# Altium PCB CU-ON-OFF-V2-08-11-18.PcbDoc (part 12 of 14)
Units mm, origin at the board's own origin, x right, y up, seen from the top; angles counter-clockwise.
Board outline 213 x 122.62 mm, 2 copper layers (Top Layer, Bottom Layer); 304 components, 53 nets, 991 pads, 702 vias.
Unrouted connection lines stored in the file: 1.
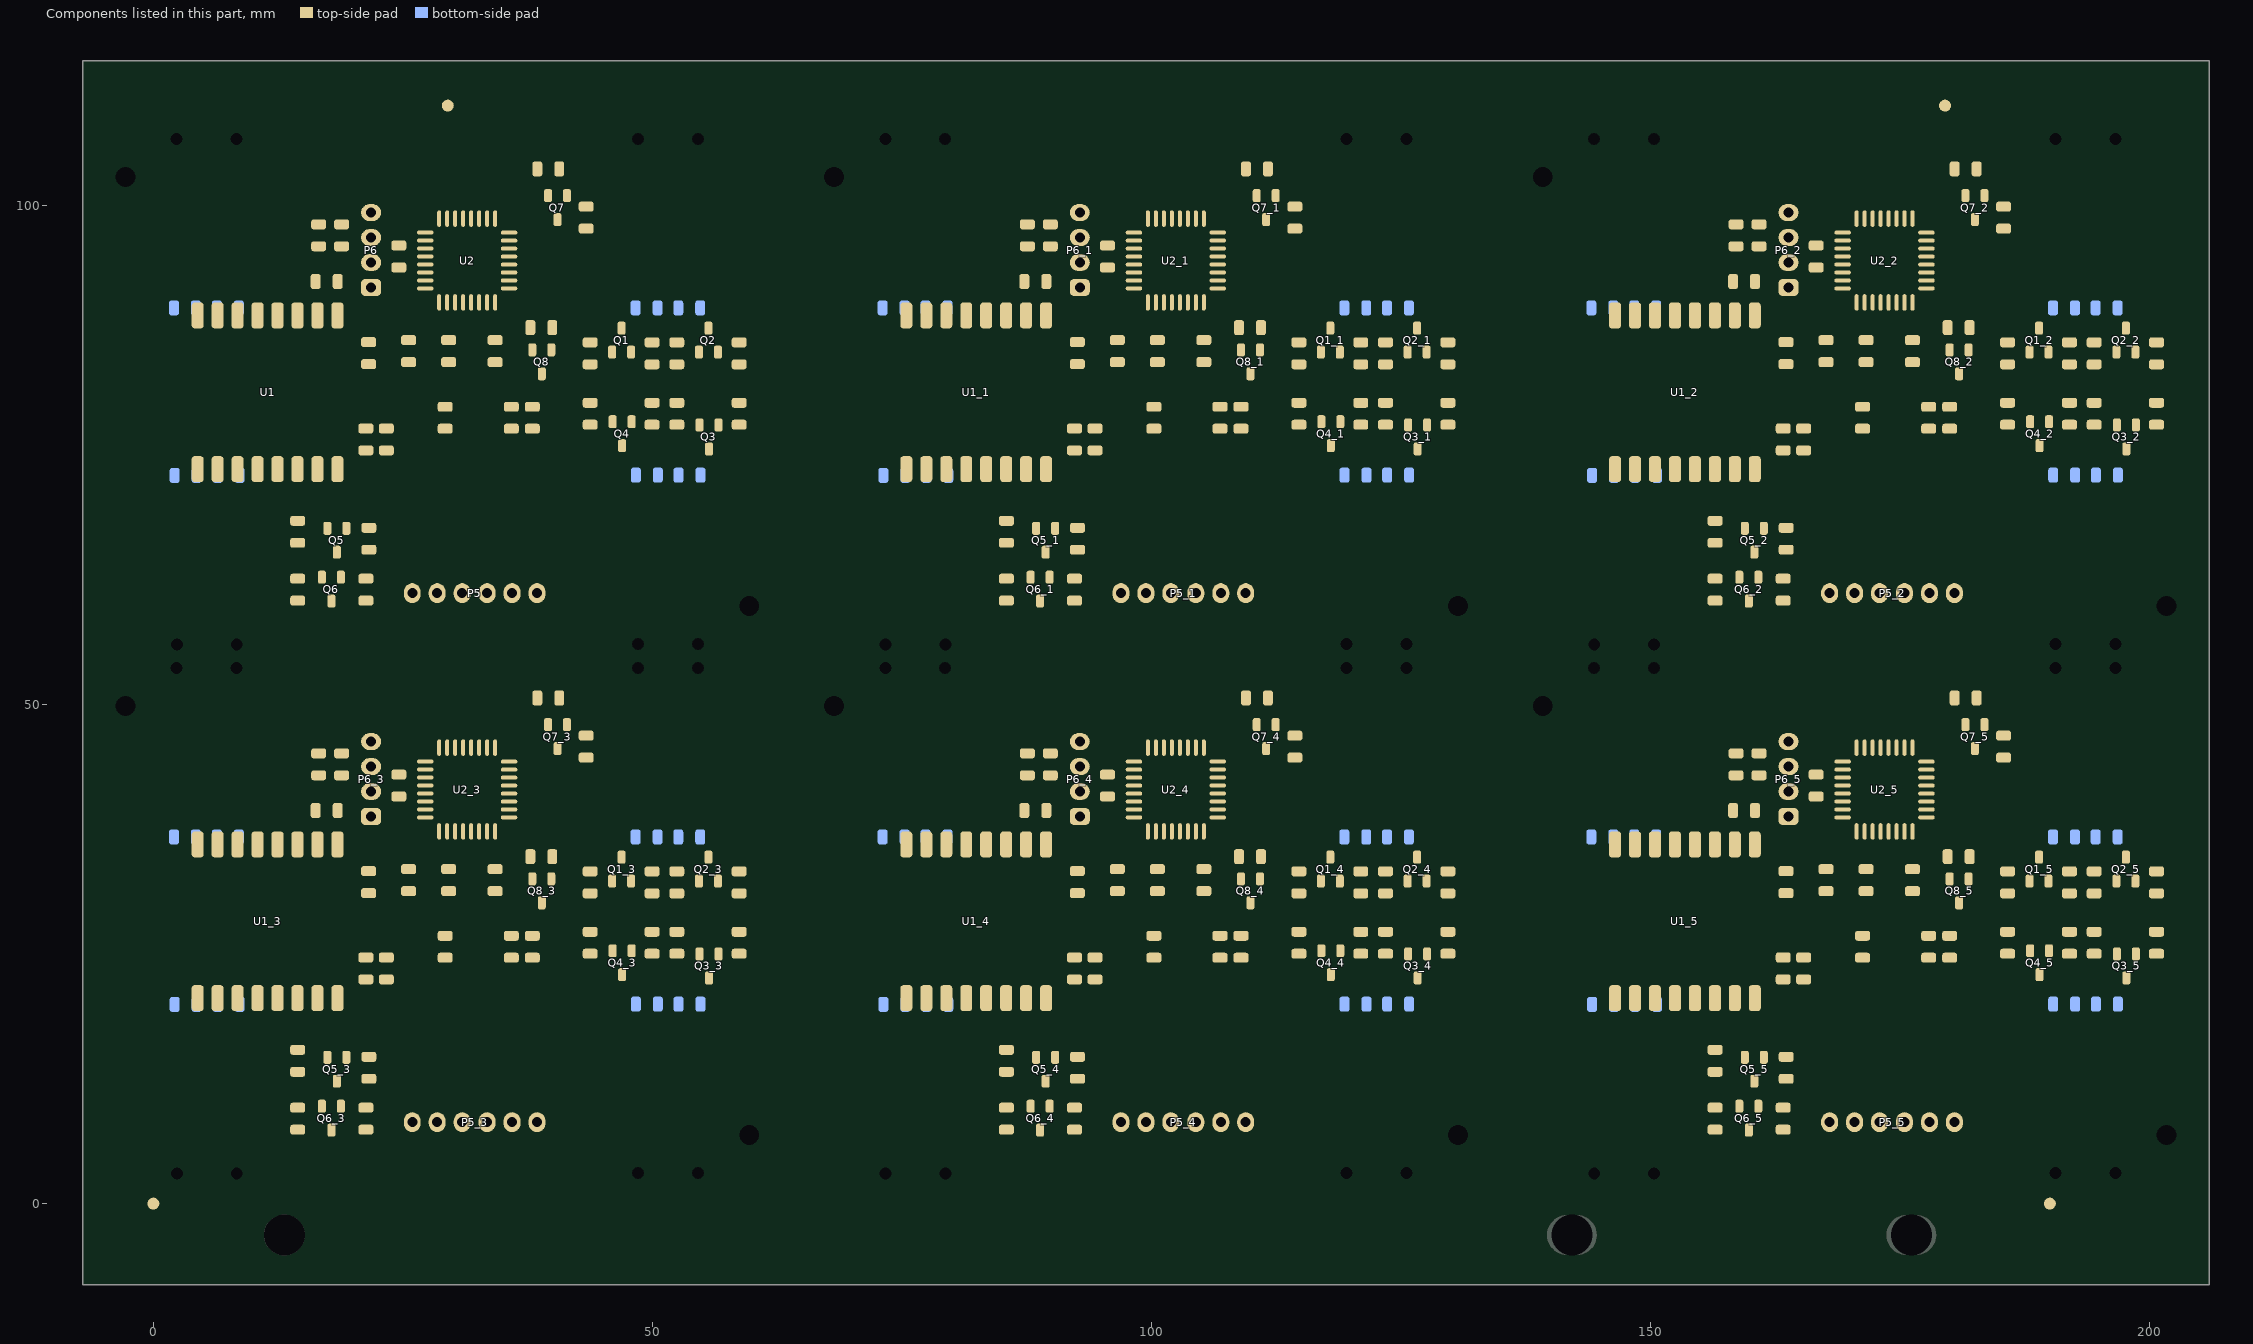
[diagram p12: the components of this part, seen from the top]

## Via types
v1: diameter 0.8, hole 0.5, Top Layer to Bottom Layer, 702 vias

## Nets (pads, with @x,y where several pads share a name; then routed paths per layer and width w, separated by ;. In a path a pad name is that pad's centre, name@x,y a point inside that pad or via, vN(x,y) a via of type N, cw(c..) or ccw(c..) an arc to the next point about the centre after c; other vN are vias at no path point) (continued)
copper on no net: (continued)
  Bottom Layer w0.4: 177.566,8.807 177.566,11.245 cw(c178.078,11.245) 177.716,11.607 ; 177.566,61.806 177.566,64.244 cw(c178.078,64.244) 177.716,64.606 ; v1@178.124,36.948 ccw(c177.783,37.29) 178.266,37.29 ccw(c178.749,37.29) v1@178.407,36.948 ; v1@178.124,37.441 cw(c177.783,37.099) 178.266,37.099 cw(c178.749,37.099) v1@178.407,37.441 ; v1@178.124,89.947 ccw(c177.783,90.289) 178.266,90.289 ccw(c178.749,90.289) v1@178.407,89.947 ; v1@178.124,90.44 cw(c177.783,90.098) 178.266,90.098 cw(c178.749,90.098) v1@178.407,90.44 ; v1@178.148,36.969 ccw(c178.013,37.155) v1@178.235,37.214 ; v1@178.148,89.968 ccw(c178.013,90.154) v1@178.235,90.213 ; v1(178.266,37.582) 178.266,36.557 185.698,29.125 193.095,29.125 ; v1(178.266,90.581) 178.266,89.556 185.698,82.124 193.095,82.124 ; 178.291,8.632 178.291,12.17 cw(c178.803,12.17) 178.441,12.532 ; 178.291,61.631 178.291,65.169 cw(c178.803,65.169) 178.441,65.531 ; v1@178.297,37.214 ccw(c178.519,37.155) v1@178.383,36.969 ; v1@178.297,90.213 ccw(c178.519,90.154) v1@178.383,89.968 ; v1@178.466,36.807 ccw(c179.552,36.807) 178.784,36.039 ; v1@178.466,89.806 ccw(c179.552,89.806) 178.784,89.038 ; v1@178.566,36.807 ccw(c179.894,36.807) 178.955,35.868 179.316,35.507 ; v1@178.566,89.806 ccw(c179.894,89.806) 178.955,88.867 179.316,88.506 ; 178.666,47.032 ccw(c180.597,48.963) 180.597,46.232 v1@181.566,46.232 ; 178.666,100.031 ccw(c180.597,101.962) 180.597,99.231 v1@181.566,99.231 ; v1@179.009,50.325 ccw(c178.527,50.325) 178.868,50.666 ccw(c179.209,51.008) v1@179.209,50.525 ; v1@179.009,103.324 ccw(c178.527,103.324) 178.868,103.665 ccw(c179.209,104.007) v1@179.209,103.524 ; v1@179.016,50.107 178.594,50.529 ccw(c177.216,49.152) 177.216,51.1 v1@179.191,51.407 ; v1@179.016,51.332 cw(c178.456,51.892) 178.456,51.1 178.434,51.1 ; v1@179.016,103.106 178.594,103.528 ccw(c177.216,102.151) 177.216,104.099 v1@179.191,104.406 ; v1@179.016,104.331 cw(c178.456,104.891) 178.456,104.099 178.434,104.099 ; v1(179.209,50.325) 178.434,51.1 ; v1(179.209,103.324) 178.434,104.099 ; 179.316,13.432 ccw(c181.066,11.682) 178.591,11.682 178.591,8.232 178.591,5.619 cw(c178.079,5.619) 178.441,5.257 cw(c177.708,5.99) 177.708,4.953 176.637,4.953 ; 179.316,66.431 ccw(c181.066,64.681) 178.591,64.681 178.591,61.231 178.591,58.618 cw(c178.079,58.618) 178.441,58.256 cw(c177.708,58.989) 177.708,57.952 176.637,57.952 ; v1@179.674,36.973 ccw(c179.333,37.315) 179.816,37.315 ccw(c180.299,37.315) v1@179.957,36.973 ; v1@179.674,37.466 cw(c179.333,37.124) 179.816,37.124 cw(c180.299,37.124) v1@179.957,37.466 ; v1@179.674,89.972 ccw(c179.333,90.314) 179.816,90.314 ccw(c180.299,90.314) v1@179.957,89.972 ; v1@179.674,90.465 cw(c179.333,90.123) 179.816,90.123 cw(c180.299,90.123) v1@179.957,90.465 ; v1@179.698,36.994 ccw(c179.563,37.18) v1@179.785,37.239 ; v1@179.698,89.993 ccw(c179.563,90.179) v1@179.785,90.238 ; 179.714,29.309 cw(c179.287,28.882) v1@179.891,28.882 ; 179.714,82.308 cw(c179.287,81.881) v1@179.891,81.881 ; v1(179.816,37.607) 179.816,36.507 186.158,30.165 v1@186.158,30.163 ; v1(179.816,90.606) 179.816,89.506 186.158,83.164 v1@186.158,83.162 ; v1@179.847,37.239 ccw(c180.069,37.18) v1@179.933,36.994 ; v1@179.847,90.238 ccw(c180.069,90.179) v1@179.933,89.993 ; v1@180.016,36.832 ccw(c181.283,36.832) 180.387,35.936 ; v1@180.016,89.831 ccw(c181.283,89.831) 180.387,88.935 ; v1@180.116,36.832 ccw(c181.625,36.832) 180.558,35.765 181.416,34.907 ; v1@180.116,89.831 ccw(c181.625,89.831) 180.558,88.764 181.416,87.906 ; v1@180.153,28.87 176.741,32.282 ; v1@180.153,81.869 176.741,85.281 ; 180.566,8.682 181.916,8.682 ; 180.566,61.681 181.916,61.681 ; v1@181.041,29.157 178.747,31.451 ccw(c176.741,29.445) 176.741,32.282 ; v1@181.041,82.156 178.747,84.45 ccw(c176.741,82.444) 176.741,85.281 ; v1@181.429,45.807 ccw(c181.088,45.465) 181.088,45.948 ccw(c181.088,46.431) v1@181.429,46.089 ; v1@181.429,98.806 ccw(c181.088,98.464) 181.088,98.947 ccw(c181.088,99.43) v1@181.429,99.088 ; v1@181.466,27.532 ccw(c181.466,28.136) 181.893,27.709 181.916,27.732 ccw(c181.192,28.456) 182.216,28.456 182.216,29.057 ccw(c181.069,29.057) 181.88,29.868 181.516,30.232 ; v1@181.466,80.531 ccw(c181.466,81.135) 181.893,80.708 181.916,80.731 ccw(c181.192,81.455) 182.216,81.455 182.216,82.056 ccw(c181.069,82.056) 181.88,82.867 181.516,83.231 ; v1@181.566,44.882 cw(c181.566,46.693) 180.286,45.412 179.75,45.948 ; v1@181.566,97.881 cw(c181.566,99.692) 180.286,98.411 179.75,98.947 ; v1(181.571,45.948) 179.75,45.948 ; v1(181.571,98.947) 179.75,98.947 ; 181.765,10.282 181.007,9.524 ccw(c182.374,8.157) 180.441,8.157 cw(c180.441,7.192) 181.124,7.874 181.916,7.082 ; 181.765,63.281 181.007,62.523 ccw(c182.374,61.156) 180.441,61.156 cw(c180.441,60.19) 181.124,60.873 181.916,60.081 ; v1(182.341,26.482) v1(182.341,27.257) ; v1(182.341,79.481) v1(182.341,80.256) ; v1@183.491,50.082 184.883,48.69 cw(c183.474,47.282) 185.466,47.282 ; v1@183.491,103.081 184.883,101.689 cw(c183.474,100.281) 185.466,100.281 ; v1@183.722,50.065 cw(c183.722,49.412) 184.184,49.874 ; v1@183.722,103.064 cw(c183.722,102.411) 184.184,102.873 ; v1@183.758,50.3 185.466,48.592 185.466,35.992 ; v1@183.758,103.299 185.466,101.591 185.466,88.991 ; 183.856,27.257 v1(182.341,27.257) ; 183.856,80.256 v1(182.341,80.256) ; 184.016,50.732 ccw(c185.682,50.732) 184.504,49.554 185.401,48.657 ; 184.016,103.731 ccw(c185.682,103.731) 184.504,102.553 185.401,101.656 ; 185.466,38.332 185.466,37.299 ccw(c187.258,37.299) 185.991,36.032 ; 185.466,91.331 185.466,90.298 ccw(c187.258,90.298) 185.991,89.031 ; v1@186.466,29.982 cw(c186.466,30.284) 186.253,30.07 185.555,30.768 ccw(c186.516,31.729) v1@186.516,30.37 ; v1@186.466,82.981 cw(c186.466,83.283) 186.253,83.069 185.555,83.767 ccw(c186.516,84.728) v1@186.516,83.369 ; v1(186.516,30.17) v1(187.291,30.17) ; v1(186.516,83.169) v1(187.291,83.169) ; v1@186.657,30.029 cw(c186.999,29.687) 186.999,30.17 cw(c186.999,30.653) v1@186.657,30.311 ; v1@186.657,83.028 cw(c186.999,82.686) 186.999,83.169 cw(c186.999,83.652) v1@186.657,83.31 ; v1@186.884,30.139 cw(c186.943,29.917) v1@187.129,30.052 ; v1@186.884,30.201 ccw(c186.943,30.423) v1@187.129,30.288 ; v1@186.884,83.138 cw(c186.943,82.916) v1@187.129,83.051 ; v1@186.884,83.2 ccw(c186.943,83.422) v1@187.129,83.287 ; 186.983,27.173 cw(c186.988,27.167) 186.988,27.175 v1(188.008,27.175) ; 186.983,80.172 cw(c186.988,80.166) 186.988,80.174 v1(188.008,80.174) ; v1@187.149,30.029 ccw(c186.808,29.687) 186.808,30.17 ccw(c186.808,30.653) v1@187.149,30.311 ; v1@187.149,83.028 ccw(c186.808,82.686) 186.808,83.169 ccw(c186.808,83.652) v1@187.149,83.31 ; 187.991,33.757 188.254,33.494 ccw(c188.766,34.006) 188.766,33.282 ; 187.991,86.756 188.254,86.493 ccw(c188.766,87.005) 188.766,86.281 ; 188.566,28.275 cw(c188.566,26.87) 189.559,27.864 v1@190.491,26.932 ; 188.566,81.274 cw(c188.566,79.869) 189.559,80.863 v1@190.491,79.931 ; v1@188.973,20.531 cw(c189.281,19.871) 189.797,20.386 ; v1@188.973,73.53 cw(c189.281,72.87) 189.797,73.385 ; 188.991,23.107 189.318,23.434 cw(c191.486,21.266) 191.486,24.332 192.141,24.332 ; 188.991,76.106 189.318,76.433 cw(c191.486,74.265) 191.486,77.331 192.141,77.331 ; v1@189.058,20.925 cw(c189.058,20.442) 189.399,20.784 cw(c189.741,21.125) v1@189.258,21.125 ; v1(189.058,21.125) 190.201,19.982 190.341,19.982 ; v1@189.058,73.924 cw(c189.058,73.441) 189.399,73.783 cw(c189.741,74.124) v1@189.258,74.124 ; v1(189.058,74.124) 190.201,72.981 190.341,72.981 ; v1@189.142,20.169 cw(c189.538,19.319) 190.201,19.982 ; v1@189.142,73.168 cw(c189.538,72.318) 190.201,72.981 ; v1@189.163,21.02 ccw(c190.341,22.198) 190.341,20.532 ; v1@189.163,74.019 ccw(c190.341,75.197) 190.341,73.531 ; v1@189.241,21.282 189.701,20.822 ccw(c190.341,21.462) 190.341,20.557 ; v1@189.241,74.281 189.701,73.821 ccw(c190.341,74.461) 190.341,73.556 ; v1@189.251,21.177 ccw(c189.844,21.336) 189.537,20.804 ; v1@189.251,74.176 ccw(c189.844,74.335) 189.537,73.803 ; 189.591,28.182 190.592,27.181 ccw(c190.694,27.283) v1(190.694,27.139) ; 189.591,81.181 190.592,80.18 ccw(c190.694,80.282) v1(190.694,80.137) ; v1@189.616,34.907 189.616,37.016 cw(c189.957,37.016) 189.716,37.257 cw(c189.776,37.197) 189.776,37.282 190.091,37.282 ; v1@189.616,87.906 189.616,90.015 cw(c189.957,90.015) 189.716,90.256 cw(c189.776,90.196) 189.776,90.281 190.091,90.281 ; v1(189.796,35.125) 190.316,35.645 ; v1@189.796,35.325 ccw(c189.796,35.808) 190.137,35.466 ccw(c190.479,35.125) 189.996,35.125 189.996,35.918 ccw(c189.552,35.918) 189.866,36.232 ; v1(189.796,88.124) 190.316,88.644 ; v1@189.796,88.324 ccw(c189.796,88.807) 190.137,88.465 ccw(c190.479,88.124) 189.996,88.124 189.996,88.917 ccw(c189.552,88.917) 189.866,89.231 ; 189.846,20.337 ccw(c190.341,20.832) 190.341,20.132 ; 189.846,73.336 ccw(c190.341,73.831) 190.341,73.131 ; v1(189.858,31.15) 189.971,31.263 198.432,31.263 v1(198.545,31.15) ; v1(189.858,84.149) 189.971,84.262 198.432,84.262 v1(198.545,84.149) ; 190.104,36.27 cw(c189.592,35.758) 190.316,35.758 cw(c191.04,35.758) 190.528,36.27 ; 190.104,89.269 cw(c189.592,88.757) 190.316,88.757 cw(c191.04,88.757) 190.528,89.269 ; 190.141,33.227 189.616,33.227 cw(c189.616,35.207) 188.216,33.807 176.722,45.301 ccw(c175.077,43.655) 175.077,45.982 ; 190.141,86.226 189.616,86.226 cw(c189.616,88.206) 188.216,86.806 176.722,98.299 ccw(c175.077,96.654) 175.077,98.981 ; 190.304,28.275 cw(c190.304,27.524) v1@190.836,28.055 ; 190.304,81.274 cw(c190.304,80.523) v1@190.836,81.054 ; 190.316,36.732 190.316,35.645 ; 190.316,89.731 190.316,88.644 ; v1@190.553,27.772 ccw(c189.339,26.558) 189.339,28.275 190.646,28.275 cw(c190.646,27.787) v1@190.991,28.132 ; v1@190.553,80.771 ccw(c189.339,79.557) 189.339,81.274 190.646,81.274 cw(c190.646,80.786) v1@190.991,81.131 ; 190.616,36.232 cw(c189.923,36.232) 190.413,35.742 190.316,35.645 ; 190.616,89.231 cw(c189.923,89.231) 190.413,88.741 190.316,88.644 ; v1@191.441,34.607 191.605,34.771 ccw(c190.128,36.247) 192.216,36.247 cw(c192.301,36.247) 192.241,36.307 ; v1@191.441,87.606 191.605,87.77 ccw(c190.128,89.246) 192.216,89.246 cw(c192.301,89.246) 192.241,89.306 ; 191.816,29.125 ccw(c191.816,31.462) 193.468,29.81 194.016,30.357 194.431,30.357 cw(c194.431,30.272) v1@194.491,30.332 ; 191.816,82.124 ccw(c191.816,84.461) 193.468,82.809 194.016,83.356 194.431,83.356 cw(c194.431,83.271) v1@194.491,83.331 ; v1@191.941,34.632 ccw(c191.337,35.236) 192.191,35.236 192.191,35.507 ; v1@191.941,87.631 ccw(c191.337,88.235) 192.191,88.235 192.191,88.506 ; v1@192.141,34.282 192.485,34.282 ccw(c192.485,34.538) 192.666,34.357 ccw(c192.364,34.659) 192.791,34.659 192.791,36.757 ; v1@192.141,87.281 192.485,87.281 ccw(c192.485,87.537) 192.666,87.356 ccw(c192.364,87.658) 192.791,87.658 192.791,89.756 ; 192.166,19.932 192.166,19.492 ccw(c192.251,19.492) 192.191,19.432 ; 192.166,72.931 192.166,72.491 ccw(c192.251,72.491) 192.191,72.431 ; v1@192.216,34.616 ccw(c191.875,34.958) 192.358,34.958 ccw(c192.841,34.958) 192.499,34.616 ccw(c192.278,34.838) 192.591,34.838 192.591,35.907 ; v1@192.216,87.615 ccw(c191.875,87.957) 192.358,87.957 ccw(c192.841,87.957) 192.499,87.615 ccw(c192.278,87.837) 192.591,87.837 192.591,88.906 ; v1@192.316,22.084 cw(c191.775,21.542) 192.541,21.542 ; v1@192.316,22.366 ccw(c191.775,22.908) v1@192.541,22.908 ; v1@192.316,22.859 cw(c191.775,22.317) v1@192.541,22.317 ; v1@192.316,75.083 cw(c191.775,74.541) 192.541,74.541 ; v1@192.316,75.365 ccw(c191.775,75.907) v1@192.541,75.907 ; v1@192.316,75.858 cw(c191.775,75.316) v1@192.541,75.316 ; 192.329,20.444 ccw(c191.817,20.956) 192.541,20.956 ccw(c193.265,20.956) 192.753,20.444 ; 192.329,73.443 ccw(c191.817,73.955) 192.541,73.955 ccw(c193.265,73.955) 192.753,73.443 ; v1(192.358,34.475) 192.358,36.574 192.516,36.732 ; 192.358,35.376 cw(c193.622,35.376) 192.728,36.27 ; v1(192.358,87.474) 192.358,89.573 192.516,89.731 ; 192.358,88.375 cw(c193.622,88.375) 192.728,89.269 ; v1(192.458,23) 192.541,22.917 192.541,21.369 192.541,19.982 ; v1(192.458,75.999) 192.541,75.916 192.541,74.368 192.541,72.981 ; 192.816,24.332 190.2,24.332 ccw(c190.2,22.198) 188.691,23.707 ; 192.816,77.331 190.2,77.331 ccw(c190.2,75.197) 188.691,76.706 ; v1@193.933,30.163 cw(c193.45,30.163) 193.791,29.822 cw(c194.133,29.48) v1@194.133,29.963 ; v1@193.933,83.162 cw(c193.45,83.162) 193.791,82.821 cw(c194.133,82.479) v1@194.133,82.962 ; v1(194.133,30.163) 193.095,29.125 ; v1(194.133,83.162) 193.095,82.124 ; v1@194.141,22.182 194.141,19.517 ccw(c194.226,19.517) 194.166,19.457 ccw(c194.226,19.517) 194.226,19.432 194.491,19.432 ; v1@194.141,75.181 194.141,72.516 ccw(c194.226,72.516) 194.166,72.456 ccw(c194.226,72.516) 194.226,72.431 194.491,72.431 ; v1@194.191,22.057 cw(c193.889,21.755) 194.316,21.755 194.316,20.613 ccw(c194.572,20.613) 194.391,20.432 ccw(c194.451,20.372) 194.366,20.372 194.366,20.182 ; v1@194.191,75.056 cw(c193.889,74.754) 194.316,74.754 194.316,73.612 ccw(c194.572,73.612) 194.391,73.431 ccw(c194.451,73.371) 194.366,73.371 194.366,73.181 ; v1@194.291,22.084 cw(c193.508,21.3) 194.616,21.3 ; v1@194.291,22.859 cw(c193.508,22.075) v1@194.616,22.075 ; 194.291,36.932 194.291,36.166 ccw(c196.185,36.166) 194.846,34.827 ; v1@194.291,75.083 cw(c193.508,74.299) 194.616,74.299 ; v1@194.291,75.858 cw(c193.508,75.074) v1@194.616,75.074 ; 194.291,89.931 194.291,89.165 ccw(c196.185,89.165) 194.846,87.826 ; v1@194.351,22.407 ccw(c194.167,22.817) v1@194.616,22.817 ; v1@194.351,75.406 ccw(c194.167,75.816) v1@194.616,75.816 ; 194.379,36.27 cw(c193.867,35.758) 194.591,35.758 cw(c195.315,35.758) 194.803,36.27 ; 194.379,89.269 cw(c193.867,88.757) 194.591,88.757 ; 194.404,20.444 ccw(c193.892,20.956) 194.616,20.956 ccw(c195.34,20.956) 194.828,20.444 ; 194.404,73.443 ccw(c193.892,73.955) 194.616,73.955 ccw(c195.34,73.955) 194.828,73.443 ; v1(194.433,23) v1@194.616,22.817 ; v1(194.433,75.999) v1@194.616,75.816 ; 194.591,36.732 194.591,35.757 195.998,34.35 ; 194.591,89.731 194.591,88.756 ; 194.616,19.982 194.616,21.269 v1@194.616,22.817 ; 194.616,72.981 194.616,74.268 v1@194.616,75.816 ; 194.741,22.507 194.741,20.95 ccw(c195.268,20.95) 194.895,20.578 194.916,20.557 ; 194.741,75.506 194.741,73.949 ccw(c195.268,73.949) 194.895,73.577 194.916,73.556 ; 194.803,89.269 ccw(c195.315,88.757) 194.591,88.757 ; 194.891,36.482 194.891,36.056 ccw(c195.915,36.056) 195.191,35.332 ccw(c196.036,36.177) 196.036,34.982 197.617,34.982 ccw(c197.617,36.006) v1@198.341,35.282 ; 194.891,89.481 194.891,89.055 ccw(c195.915,89.055) 195.191,88.331 ccw(c196.036,89.176) 196.036,87.981 197.617,87.981 ccw(c197.617,89.005) v1@198.341,88.281 ; v1@195.066,30.282 cw(c194.945,30.161) 195.116,30.161 195.116,29.317 cw(c195.031,29.317) 195.091,29.257 cw(c194.772,29.576) 194.772,29.125 193.095,29.125 ; v1@195.066,83.281 cw(c194.945,83.16) 195.116,83.16 195.116,82.316 cw(c195.031,82.316) 195.091,82.256 cw(c194.772,82.575) 194.772,82.124 193.095,82.124 ; v1@196.316,22.082 cw(c195.833,21.599) 196.516,21.599 196.516,20.613 ccw(c196.772,20.613) 196.591,20.432 ccw(c196.712,20.311) 196.541,20.311 196.541,20.107 ; v1@196.316,75.081 cw(c195.833,74.598) 196.516,74.598 196.516,73.612 ccw(c196.772,73.612) 196.591,73.431 ccw(c196.712,73.31) 196.541,73.31 196.541,73.106 ; v1@196.441,22.084 cw(c195.538,21.18) 196.816,21.18 ; v1@196.441,22.859 cw(c195.538,21.955) v1@196.816,21.955 ; v1@196.441,75.083 cw(c195.538,74.179) 196.816,74.179 ; v1@196.441,75.858 cw(c195.538,74.954) v1@196.816,74.954 ; v1@196.539,22.42 ccw(c196.46,22.767) v1@196.816,22.767 ; v1@196.539,75.419 ccw(c196.46,75.766) v1@196.816,75.766 ; v1(196.583,23) v1@196.816,22.767 ; v1(196.583,75.999) v1@196.816,75.766 ; v1@196.591,23.307 196.749,23.307 cw(c196.749,22.966) 196.991,23.207 cw(c196.749,22.966) 197.091,22.966 197.091,19.932 ; v1@196.591,76.306 196.749,76.306 cw(c196.749,75.965) 196.991,76.206 cw(c196.749,75.965) 197.091,75.965 197.091,72.931 ; 196.604,20.444 ccw(c196.092,20.956) 196.816,20.956 ccw(c197.54,20.956) 197.028,20.444 ; 196.604,73.443 ccw(c196.092,73.955) 196.816,73.955 ccw(c197.54,73.955) 197.028,73.443 ; 196.791,36.732 199.541,36.732 200.308,35.965 v1(200.308,34.475) ; 196.791,89.731 199.541,89.731 200.308,88.964 v1(200.308,87.474) ; 196.816,19.982 v1@196.816,22.767 ; 196.816,37.207 196.935,37.207 ccw(c196.935,37.463) 197.116,37.282 ccw(c197.176,37.342) 197.176,37.257 198.745,37.257 cw(c198.745,34.611) 200.616,36.482 cw(c198.805,34.671) 201.366,34.671 v1@201.366,34.507 ; 196.816,72.981 v1@196.816,75.766 ; 196.816,90.206 196.935,90.206 ccw(c196.935,90.462) 197.116,90.281 ccw(c197.176,90.341) 197.176,90.256 198.745,90.256 cw(c198.745,87.61) 200.616,89.481 cw(c198.805,87.67) 201.366,87.67 v1@201.366,87.506 ; 197.003,36.52 cw(c197.515,36.008) 197.515,36.732 cw(c197.515,37.456) 197.003,36.944 ; 197.003,89.519 cw(c197.515,89.007) 197.515,89.731 cw(c197.515,90.455) 197.003,89.943 ; 197.091,36.382 199.123,36.382 cw(c199.123,35.614) 199.666,36.157 cw(c198.761,35.252) 200.041,35.252 v1@200.041,34.532 ; 197.091,89.381 199.123,89.381 cw(c199.123,88.613) 199.666,89.156 cw(c198.761,88.251) 200.041,88.251 v1@200.041,87.531 ; v1@198.341,34.209 ccw(c198,33.867) 198,34.35 ccw(c198,34.833) v1@198.341,34.491 ; v1@198.341,87.208 ccw(c198,86.866) 198,87.349 ccw(c198,87.832) v1@198.341,87.49 ; v1@198.466,34.182 196.403,34.182 cw(c196.403,36.385) 194.846,34.827 ; v1@198.466,87.181 196.403,87.181 cw(c196.403,89.384) 194.846,87.826 ; v1(198.483,34.35) 195.998,34.35 ; v1(198.483,87.349) 195.998,87.349 ; v1@199.191,28.107 199.451,28.367 ccw(c197.986,29.832) 200.058,29.832 ; v1@199.191,81.106 199.451,81.366 ccw(c197.986,82.831) 200.058,82.831 ; v1@199.416,26.832 199.599,26.832 ccw(c199.599,27.173) 199.841,26.932 ccw(c199.317,27.456) 200.058,27.456 200.058,30.757 ; v1@199.416,79.831 199.599,79.831 ccw(c199.599,80.172) 199.841,79.931 ccw(c199.317,80.455) 200.058,80.455 200.058,83.756 ; v1(199.419,27.914) 200.058,28.552 200.058,31.55 199.281,32.327 187.596,32.327 176.248,43.675 ; v1@199.419,28.114 ccw(c199.419,28.596) 199.761,28.255 ccw(c200.102,27.914) v1@199.619,27.914 ; v1(199.419,80.913) 200.058,81.551 200.058,84.549 199.281,85.326 187.596,85.326 176.248,96.674 ; v1@199.419,81.113 ccw(c199.419,81.595) 199.761,81.254 ccw(c200.102,80.913) v1@199.619,80.913 ; 199.491,33.227 cw(c199.491,32.008) 200.353,32.87 200.645,32.578 cw(c199.748,31.682) 201.016,31.682 201.016,26.752 cw(c199.821,26.752) 200.666,25.907 199.639,24.88 cw(c198.316,26.203) 198.316,24.332 199.721,24.332 ccw(c199.721,25.527) 200.566,24.682 200.941,25.057 ; 199.491,86.226 cw(c199.491,85.007) 200.353,85.869 200.645,85.577 cw(c199.748,84.681) 201.016,84.681 201.016,79.751 cw(c199.821,79.751) 200.666,78.906 199.639,77.879 cw(c198.316,79.202) 198.316,77.331 199.721,77.331 ccw(c199.721,78.526) 200.566,77.681 200.941,78.056 ; 200.091,25.332 200.064,25.305 cw(c197.896,27.473) 197.896,24.407 189.841,24.407 ccw(c189.841,23.321) 189.073,24.089 188.691,23.707 ; 200.091,78.331 200.064,78.304 cw(c197.896,80.472) 197.896,77.406 189.841,77.406 ccw(c189.841,76.32) 189.073,77.088 188.691,76.706 ; v1@200.166,34.616 ccw(c199.825,34.958) 200.308,34.958 ccw(c200.791,34.958) v1@200.449,34.616 ; v1@200.166,87.615 ccw(c199.825,87.957) 200.308,87.957 ccw(c200.791,87.957) v1@200.449,87.615 ; 200.527,33.227 200.231,33.227 ; 200.527,86.226 200.231,86.226 ; v1@201.218,28.957 cw(c200.879,28.613) 201.362,28.617 cw(c201.845,28.621) v1@201.501,28.96 ; v1@201.218,81.956 cw(c200.879,81.612) 201.362,81.616 cw(c201.845,81.62) v1@201.501,81.959 ; v1@201.22,29.245 ccw(c200.888,29.596) 201.371,29.583 ccw(c201.854,29.57) v1@201.503,29.238 ; v1@201.22,82.244 ccw(c200.888,82.595) 201.371,82.582 ccw(c201.854,82.569) v1@201.503,82.237 ; v1@201.238,29.887 cw(c200.887,29.555) 201.37,29.542 cw(c201.853,29.529) v1@201.52,29.88 ; v1@201.238,82.886 cw(c200.887,82.554) 201.37,82.541 cw(c201.853,82.528) v1@201.52,82.879 ; v1@201.241,30.166 ccw(c200.9,30.508) 201.383,30.508 ccw(c201.866,30.508) v1@201.524,30.166 ; v1@201.241,83.165 ccw(c200.9,83.507) 201.383,83.507 ccw(c201.866,83.507) v1@201.524,83.165 ; 201.45,31.481 ccw(c199.567,31.481) 200.898,32.813 200.663,33.048 ccw(c200.231,32.616) 200.231,33.227 ; 201.45,84.48 ccw(c199.567,84.48) 200.898,85.812 200.663,86.047 ccw(c200.231,85.615) 200.231,86.226 ; 202.31,33.351 cw(c201.634,32.675) 202.59,32.675 202.59,26.301 202.59,25.69 cw(c201.941,25.69) 202.4,25.231 ; 202.31,86.35 cw(c201.634,85.674) 202.59,85.674 202.59,79.3 202.59,78.689 cw(c201.941,78.689) 202.4,78.23 ; 202.63,25.541 ccw(c202.606,25.565) 202.64,25.565 202.64,32.671 ; 202.63,32.811 202.63,32.695 ccw(c202.664,32.695) 202.64,32.671 ; 202.63,33.181 cw(c202.606,33.157) 202.64,33.157 202.64,32.671 ; 202.63,78.54 ccw(c202.606,78.564) 202.64,78.564 202.64,85.67 ; 202.63,85.81 202.63,85.694 ccw(c202.664,85.694) 202.64,85.67 ; 202.63,86.18 cw(c202.606,86.156) 202.64,86.156 202.64,85.67 ; 2.141,21.607 4.166,23.632 11.191,23.632 17.47,17.353 ; 4.341,21.807 5.241,22.707 10.641,22.707 16.116,17.232 16.116,11.382 ; 7.091,38.482 12.191,38.482 14.616,40.907 14.616,47.157 18.559,51.1 36.435,51.1 ; 12.28,36.821 cw(c11.341,37.76) 11.341,36.432 9.32,36.432 ccw(c9.32,35.578) 8.716,36.182 10.737,36.182 ccw(c10.737,38.363) 12.28,36.821 ; 12.28,89.82 cw(c10.737,91.362) 10.737,89.181 8.716,89.181 cw(c9.32,88.577) 9.32,89.431 11.341,89.431 ccw(c11.341,90.759) 12.28,89.82 ; 15.838,8.482 16.268,8.482 ; 16.216,4.953 23.166,4.953 ; 23.166,4.953 34.637,4.953 ; 23.316,28.407 23.316,7.232 24.591,5.957 27.541,5.957 ; v1@24.608,45.7 33.758,45.7 ; 27.541,5.957 28.441,6.857 ; 29.25,29.066 cw(c29.591,28.724) 29.591,29.207 ccw(c29.591,28.724) 29.25,29.066 ; 32.616,41.057 33.666,40.007 ; 33.077,45.982 cw(c33.077,45.019) 33.758,45.7 ; 33.666,40.007 33.666,36.082 40.341,29.407 v1(40.341,27.257) ; 33.758,45.7 43.466,35.992 ; 34.637,4.953 35.941,6.257 35.941,8.157 35.941,12.057 ; 35.316,10.548 cw(c37.45,10.548) 35.941,12.057 ; 35.316,10.548 35.316,11.062 cw(c38.382,11.062) 36.214,13.23 46.691,23.707 ; 35.316,63.547 35.316,64.061 cw(c38.382,64.061) 36.214,66.229 46.691,76.706 ; 35.941,12.057 48.216,24.332 57.591,24.332 59.383,26.124 ; 43.466,35.992 46.231,33.227 58.213,33.227 59.383,32.057 v1(59.383,30.025) v1(59.358,29.1) ; 52.846,34.827 ccw(c53.998,35.98) 53.998,34.35 ; 58.231,33.227 58.543,33.227 cw(c58.543,32.114) 59.33,32.901 cw(c58.533,32.104) 59.66,32.104 59.66,26.154 cw(c58.748,26.154) 59.393,25.509 58.941,25.057 ; 58.231,33.227 58.414,33.227 59.358,32.283 v1(59.358,29.1) ; 58.231,86.226 58.543,86.226 cw(c58.543,85.113) 59.33,85.9 cw(c58.533,85.103) 59.66,85.103 59.66,79.153 cw(c58.748,79.153) 59.393,78.508 58.941,78.056 ; 58.941,25.057 ccw(c57.874,26.124) 59.383,26.124 ; v1(59.358,29.1) 59.383,26.124 ; 73.141,21.607 75.166,23.632 82.191,23.632 88.47,17.353 ; 73.141,74.606 75.166,76.631 82.191,76.631 88.47,70.352 ; 75.341,21.807 76.241,22.707 81.641,22.707 87.116,17.232 87.116,11.382 ; 75.341,74.806 76.241,75.706 81.641,75.706 87.116,70.231 87.116,64.381 ; 78.091,38.482 83.191,38.482 85.616,40.907 85.616,47.157 89.559,51.1 107.434,51.1 ; 78.091,91.481 83.191,91.481 85.616,93.906 85.616,100.156 89.559,104.099 107.434,104.099 ; 83.28,36.821 cw(c82.341,37.76) 82.341,36.432 80.319,36.432 ccw(c80.319,35.578) 79.716,36.182 81.737,36.182 ccw(c81.737,38.363) 83.28,36.821 ; 83.28,89.82 cw(c82.341,90.759) 82.341,89.431 80.319,89.431 ccw(c80.319,88.577) 79.716,89.181 81.737,89.181 ccw(c81.737,91.362) 83.28,89.82 ; 86.837,8.482 87.268,8.482 ; 86.837,61.481 87.268,61.481 ; 87.216,4.953 94.166,4.953 ; 87.216,57.952 94.166,57.952 ; 94.166,4.953 105.637,4.953 ; 94.166,57.952 105.637,57.952 ; 94.316,28.407 94.316,7.232 95.591,5.957 98.541,5.957 ; 94.316,81.406 94.316,60.231 95.591,58.956 98.541,58.956 ; v1@95.608,45.7 104.758,45.7 ; v1@95.608,98.699 104.758,98.699 ; 98.541,5.957 99.441,6.857 ; 98.541,58.956 99.441,59.856 ; 100.25,29.066 cw(c100.591,28.724) 100.591,29.207 ccw(c100.591,28.724) 100.25,29.066 ; 100.25,82.065 cw(c100.591,81.723) 100.591,82.206 ccw(c100.591,81.723) 100.25,82.065 ; 103.616,41.057 104.666,40.007 ; 103.616,94.056 104.666,93.006 ; 104.077,45.982 cw(c104.077,45.019) 104.758,45.7 ; 104.077,98.981 cw(c104.077,98.018) 104.758,98.699 ; 104.666,40.007 104.666,36.082 111.341,29.407 v1(111.341,27.257) ; 104.666,93.006 104.666,89.081 111.341,82.406 v1(111.341,80.256) ; 104.758,45.7 114.466,35.992 ; 104.758,98.699 114.466,88.991 ; 105.637,4.953 106.941,6.257 106.941,8.157 106.941,12.057 ; 105.637,57.952 106.941,59.256 106.941,61.156 106.941,65.056 ; 106.316,10.548 cw(c108.45,10.548) 106.941,12.057 ; 106.316,10.548 106.316,11.062 cw(c109.382,11.062) 107.214,13.23 117.691,23.707 ; 106.316,63.547 cw(c108.45,63.547) 106.941,65.056 ; 106.316,63.547 106.316,64.061 cw(c109.382,64.061) 107.214,66.229 117.691,76.706 ; 106.941,12.057 119.216,24.332 128.591,24.332 130.383,26.124 ; 106.941,65.056 119.216,77.331 128.591,77.331 130.383,79.123 ; 114.466,35.992 117.231,33.227 129.213,33.227 130.383,32.057 v1(130.383,30.025) v1(130.358,29.1) ; 114.466,88.991 117.231,86.226 129.213,86.226 130.383,85.056 v1(130.383,83.024) v1(130.358,82.099) ; 123.591,88.756 124.998,87.349 ; 123.846,34.827 ccw(c124.998,35.98) 124.998,34.35 ; 123.846,87.826 ccw(c124.998,88.979) 124.998,87.349 ; 129.231,33.227 129.543,33.227 cw(c129.543,32.114) 130.33,32.901 cw(c129.533,32.104) 130.66,32.104 130.66,26.154 cw(c129.748,26.154) 130.393,25.509 129.941,25.057 ; 129.231,33.227 129.414,33.227 130.358,32.283 v1(130.358,29.1) ; 129.231,86.226 129.543,86.226 cw(c129.543,85.113) 130.33,85.9 cw(c129.533,85.103) 130.66,85.103 130.66,79.153 cw(c129.748,79.153) 130.393,78.508 129.941,78.056 ; 129.231,86.226 129.414,86.226 130.358,85.282 v1(130.358,82.099) ; 129.941,25.057 ccw(c128.874,26.124) 130.383,26.124 ; 129.941,78.056 ccw(c128.874,79.123) 130.383,79.123 ; v1(130.358,29.1) 130.383,26.124 ; v1(130.358,82.099) 130.383,79.123 ; 144.141,21.607 146.166,23.632 153.191,23.632 159.47,17.353 ; 144.141,74.606 146.166,76.631 153.191,76.631 159.47,70.352 ; 146.341,21.807 147.241,22.707 152.641,22.707 158.116,17.232 158.116,11.382 ; 146.341,74.806 147.241,75.706 152.641,75.706 158.116,70.231 158.116,64.381 ; 149.091,38.482 154.191,38.482 156.616,40.907 156.616,47.157 160.559,51.1 178.434,51.1 ; 149.091,91.481 154.191,91.481 156.616,93.906 156.616,100.156 160.559,104.099 178.434,104.099 ; 154.28,36.821 cw(c153.341,37.76) 153.341,36.432 151.319,36.432 ccw(c151.319,35.578) 150.716,36.182 152.737,36.182 ccw(c152.737,38.363) 154.28,36.821 ; 154.28,89.82 cw(c153.341,90.759) 153.341,89.431 151.319,89.431 ccw(c151.319,88.577) 150.716,89.181 152.737,89.181 ccw(c152.737,91.362) 154.28,89.82 ; 157.837,8.482 158.268,8.482 ; 157.837,61.481 158.268,61.481 ; 158.216,4.953 165.166,4.953 ; 158.216,57.952 165.166,57.952 ; 165.166,4.953 176.637,4.953 ; 165.166,57.952 176.637,57.952 ; 165.316,28.407 165.316,7.232 166.591,5.957 169.541,5.957 ; 165.316,81.406 165.316,60.231 166.591,58.956 169.541,58.956 ; v1@166.608,45.7 175.758,45.7 ; v1@166.608,98.699 175.758,98.699 ; 169.541,5.957 170.441,6.857 ; 169.541,58.956 170.441,59.856 ; 171.249,29.066 cw(c171.591,28.724) 171.591,29.207 ccw(c171.591,28.724) 171.249,29.066 ; 171.249,82.065 cw(c171.591,81.723) 171.591,82.206 ccw(c171.591,81.723) 171.249,82.065 ; 174.616,41.057 175.666,40.007 ; 174.616,94.056 175.666,93.006 ; 175.077,45.982 cw(c175.077,45.019) 175.758,45.7 ; 175.077,98.981 cw(c175.077,98.018) 175.758,98.699 ; 175.666,40.007 175.666,36.082 182.341,29.407 v1(182.341,27.257) ; 175.666,93.006 175.666,89.081 182.341,82.406 v1(182.341,80.256) ; 175.758,45.7 185.466,35.992 ; 175.758,98.699 185.466,88.991 ; 176.637,4.953 177.941,6.257 177.941,8.157 177.941,12.057 ; 176.637,57.952 177.941,59.256 177.941,61.156 177.941,65.056 ; 177.316,10.548 cw(c179.45,10.548) 177.941,12.057 ; 177.316,10.548 177.316,11.062 cw(c180.382,11.062) 178.214,13.23 188.691,23.707 ; 177.316,63.547 cw(c179.45,63.547) 177.941,65.056 ; 177.316,63.547 177.316,64.061 cw(c180.382,64.061) 178.214,66.229 188.691,76.706 ; 177.941,12.057 190.216,24.332 199.591,24.332 201.383,26.124 ; 177.941,65.056 190.216,77.331 199.591,77.331 201.383,79.123 ; 185.466,35.992 188.231,33.227 200.213,33.227 201.383,32.057 v1(201.383,30.025) v1(201.358,29.1) ; 185.466,88.991 188.231,86.226 200.213,86.226 201.383,85.056 v1(201.383,83.024) v1(201.358,82.099) ; 194.591,88.756 195.998,87.349 ; 194.846,34.827 ccw(c195.998,35.98) 195.998,34.35 ; 194.846,87.826 ccw(c195.998,88.979) 195.998,87.349 ; 200.231,33.227 200.543,33.227 cw(c200.543,32.114) 201.33,32.901 cw(c200.533,32.104) 201.66,32.104 201.66,26.154 cw(c200.748,26.154) 201.393,25.509 200.941,25.057 ; 200.231,33.227 200.414,33.227 201.358,32.283 v1(201.358,29.1) ; 200.231,86.226 200.543,86.226 cw(c200.543,85.113) 201.33,85.9 cw(c200.533,85.103) 201.66,85.103 201.66,79.153 cw(c200.748,79.153) 201.393,78.508 200.941,78.056 ; 200.231,86.226 200.414,86.226 201.358,85.282 v1(201.358,82.099) ; 200.941,25.057 ccw(c199.874,26.124) 201.383,26.124 ; 200.941,78.056 ccw(c199.874,79.123) 201.383,79.123 ; v1(201.358,29.1) 201.383,26.124 ; v1(201.358,82.099) 201.383,79.123